# Allegro board PCIE_FIBER_BOARD-1116.brd (continued)
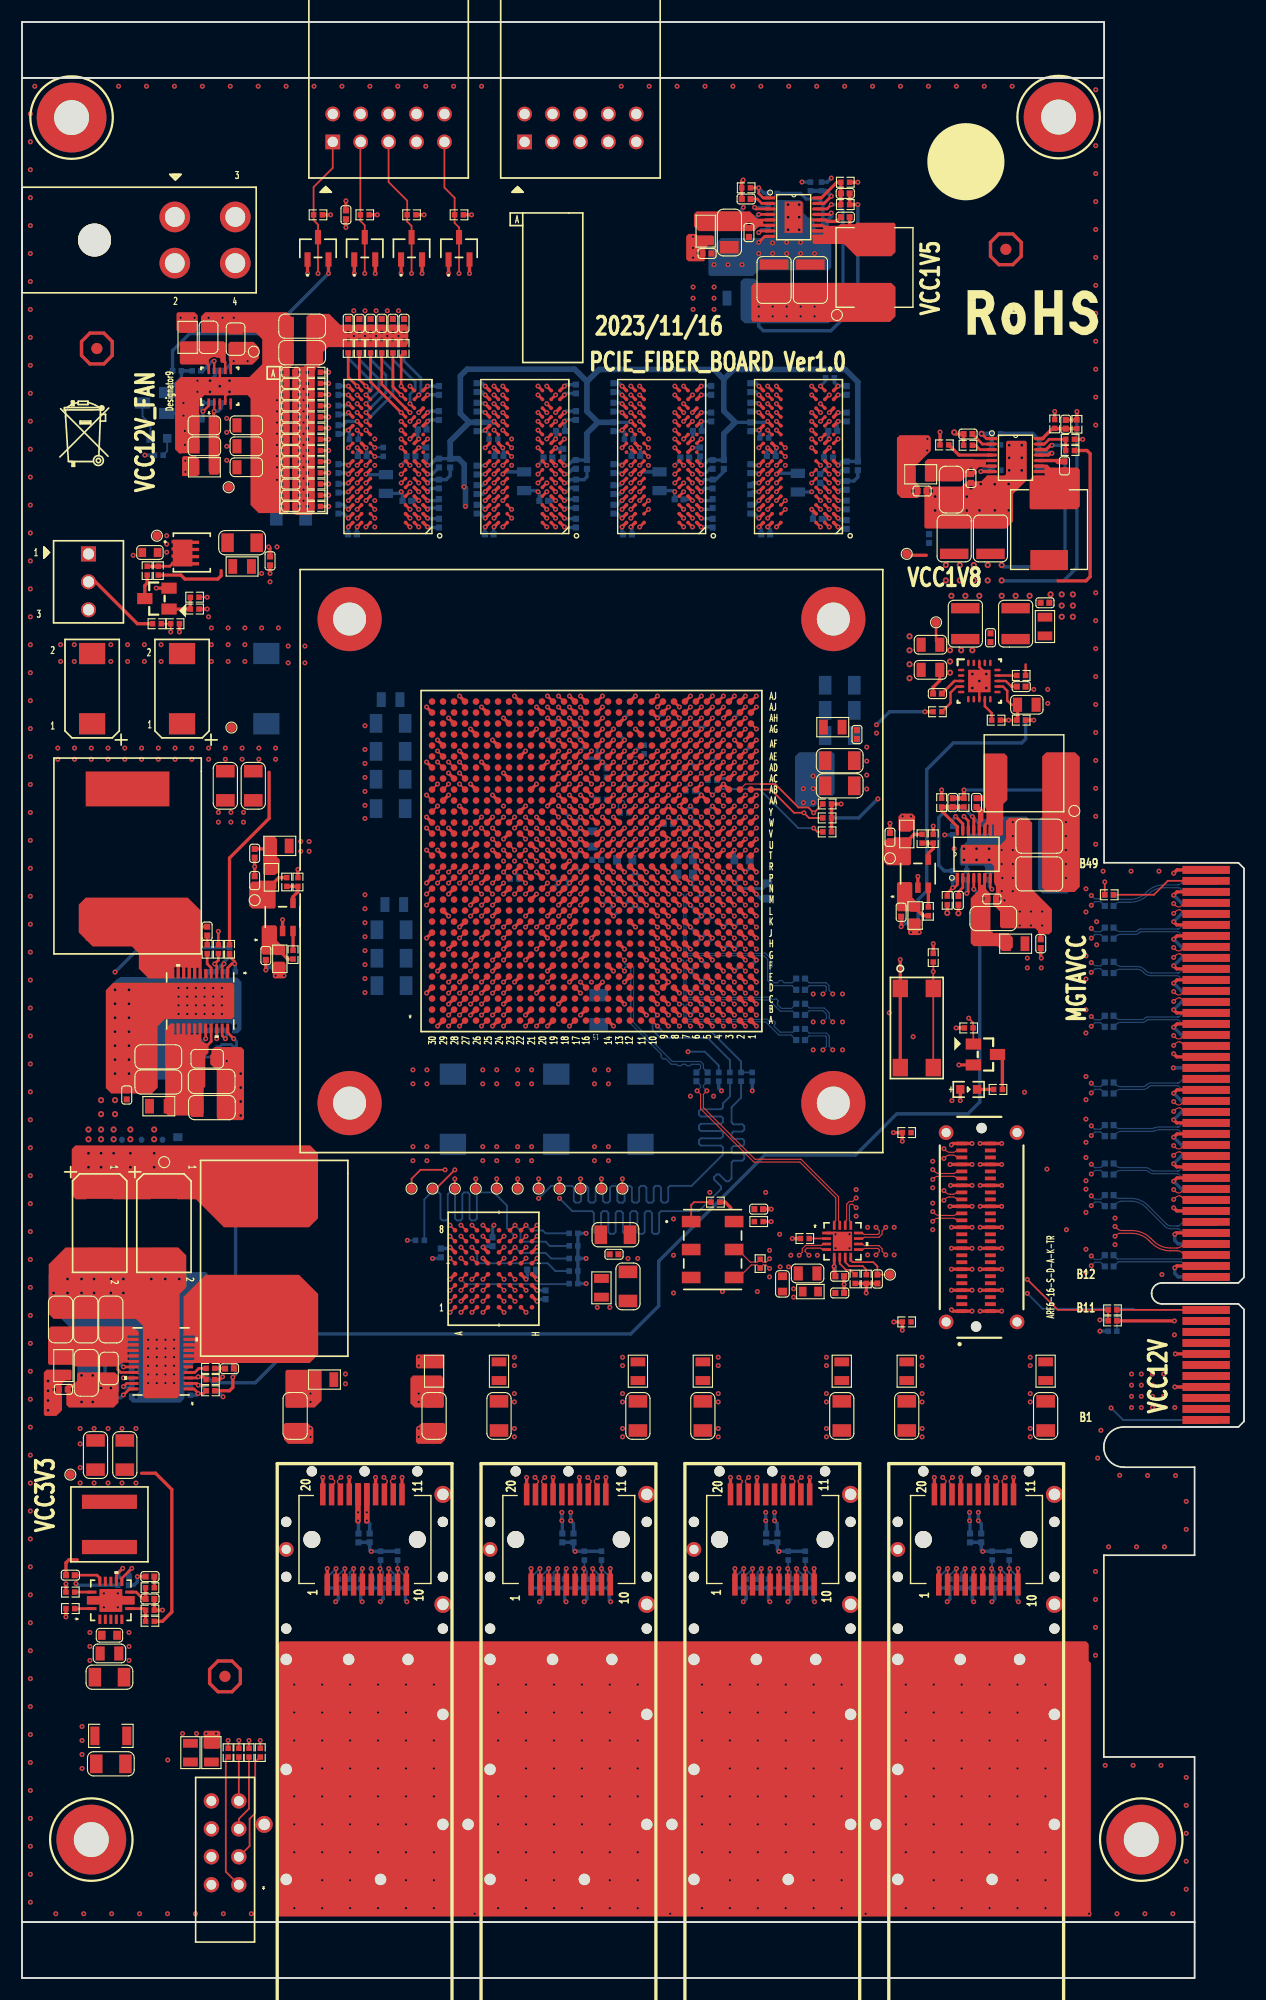
[diagram p0: board, top side]
## Routing (per net, layer and track width the routed paths; a pad name or vN(x,y) marks a point on that pad's centre or on a via; arc(x,y) is an arc through that point) (continued)
  TOP w0.165: U247.C26 v1(40.8,88.53)
  ART03 w0.117: v1(40.8,88.53) 41.2,88.12 47.59,88.12 48.34,87.38 48.34,83.86 57.08,75.12 57.08,61.17 59.83,58.42 73.53,58.42 77.22,54.74 77.22,45.21 80.77,41.66 80.77,39.12 81.41,38.48 84.52,38.48 v1(85.79,37.21)
  BOTTOM w0.165: R1160.2 85.42,36.85 v1(85.79,37.21)
FPGA_SFP0_LOS: length 86.9
  TOP w0.157: P1.8 v1(88.99,37.21)
  TOP w0.165: U247.D23 v1(43.8,89.53)
  ART03 w0.117: v1(88.99,37.21) 88.36,37.85 86.55,37.85 78.61,45.79 78.61,54.99 74.34,59.27 60.28,59.27 57.92,61.62 57.92,79.53 49.45,88 49.45,88.7 48.06,90.09 44.36,90.09 v1(43.8,89.53)
  BOTTOM w0.165: R1166.2 89.49,36.72 v1(88.99,37.21)
FPGA_SFP0_MOD_DETECT: length 94.1
  TOP w0.157: P1.6 v1(87.39,37.21)
  TOP w0.165: U247.E23 v1(43.8,90.53)
  ART03 w0.117: v1(87.39,37.21) 87.9,36.7 90.68,36.7 91.06,37.08 91.06,37.59 90.42,38.23 86.59,38.23 79.12,45.7 79.12,54.99 74.55,59.56 60.4,59.56 58.22,61.75 58.22,79.66 51.61,86.26 51.61,87.71 48.26,91.06 44.33,91.06 v1(43.8,90.53)
  BOTTOM w0.165: R1163.2 87.45,37.15 v1(87.39,37.21)
FPGA_SFP0_TX_DISABLE: length 81.6
  TOP w0.157: P1.3 v1(84.99,37.21)
  TOP w0.165: U247.A23 v1(43.8,86.53)
  ART03 w0.117: v1(43.8,86.53) 45.11,85.22 46.56,85.22 56.78,75 56.78,61.05 59.7,58.13 73.32,58.13 76.45,54.99 76.45,45.09 77.98,43.56 77.98,38.99 78.87,38.1 84.1,38.1 v1(84.99,37.21)
  BOTTOM w0.165: v1(84.99,37.21) 84.41,36.63 R1162.2
FPGA_SFP0_TX_FAULT: length 83.5
  TOP w0.157: P1.2 v1(84.19,37.21)
  TOP w0.165: U247.B23 v1(43.8,87.53)
  ART03 w0.117: v1(84.19,37.21) 83.68,37.72 78.36,37.72 77.47,38.61 77.47,43.43 76.07,44.83 76.07,54.74 72.98,57.83 59.58,57.83 56.49,60.93 56.49,74.88 46.53,84.84 43.81,84.84 43.31,85.34 43.31,87.04 v1(43.8,87.53)
  BOTTOM w0.165: R1161.2 83.39,36.42 v1(84.19,37.21)
FPGA_SFP1_IIC_SCL: length 93.3
  TOP w0.157: P2.5 v1(30.96,37.21)
  TOP w0.165: U247.C25 v1(41.8,88.53)
  ART08 w0.117: v1(30.96,37.21) 30.96,39.34 24.69,45.62 24.69,50.34 25.2,50.85 46.62,50.85 55.55,59.78 55.55,70.87 56.01,71.32 56.01,77.29 55.55,77.75 55.55,81.05 51.65,84.96 43.49,84.96 42.29,86.16 42.29,88.04 v1(41.8,88.53)
  BOTTOM w0.165: v1(30.96,37.21) 30.81,37.06 R1169.2
FPGA_SFP1_IIC_SDA: length 91.3
  TOP w0.157: P2.4 v1(30.17,37.21)
  TOP w0.165: U247.B25 v1(41.8,87.53)
  ART08 w0.117: v1(41.8,87.53) 41.35,87.08 41.35,86.21 43.05,84.51 47.93,84.51 55.58,76.86 55.58,71.55 54.56,70.54 54.56,63.12 55.08,62.59 55.08,59.95 46.46,51.33 25.01,51.33 23.89,50.22 23.89,45.29 30.17,39.01 v1(30.17,37.21)
  BOTTOM w0.165: R1170.2 29.8,36.85 v1(30.17,37.21)
FPGA_SFP1_LOS: length 90.5
  TOP w0.157: P2.8 v1(33.36,37.21)
  TOP w0.165: U247.F26 v1(40.8,91.53)
  ART08 w0.117: v1(40.8,91.53) 41.27,91.06 43.18,91.06 43.31,90.93 43.31,88.39 43.69,88.01 44.07,88.01 44.45,87.63 44.45,87.17 45.77,85.85 52.55,85.85 56.77,81.64 56.77,59.73 45.65,48.62 31.77,48.62 30.3,47.14 30.3,45.57 31.9,43.97 32.79,43.97 33.36,43.39 v1(33.36,37.21)
  BOTTOM w0.165: R1176.2 33.86,36.72 v1(33.36,37.21)
FPGA_SFP1_MOD_DETECT: length 97.3
  TOP w0.157: P2.6 v1(31.76,37.21)
  TOP w0.165: U247.D24 v1(42.8,89.53)
  ART08 w0.117: v1(31.76,37.21) 32.38,37.83 32.38,43.19 32.27,43.31 27.69,43.31 25.3,45.69 25.3,50.11 25.58,50.39 47.01,50.39 56.47,59.85 56.47,81.3 52.36,85.4 44.08,85.4 43.28,86.21 43.28,87.81 42.8,88.29 v1(42.8,89.53)
  BOTTOM w0.165: R1173.2 31.83,37.15 v1(31.76,37.21)
FPGA_SFP1_TX_DISABLE: length 95.3
  TOP w0.157: P2.3 v1(29.36,37.21)
  TOP w0.165: U247.E24 v1(42.8,90.53)
  ART08 w0.117: v1(29.36,37.21) 29.36,39.16 23.42,45.11 23.42,50.51 24.72,51.82 46.2,51.82 54.61,60.22 54.61,61.98 54.13,62.46 54.13,70.82 55.09,71.78 55.09,76.86 47.79,84.17 42.66,84.17 40.94,85.88 40.94,87.07 41.27,87.4 41.27,88.9 41.4,89.03 42.07,89.03 42.32,89.27 42.32,90.05 v1(42.8,90.53)
  BOTTOM w0.165: R1172.2 28.78,36.63 v1(29.36,37.21)
FPGA_SFP1_TX_FAULT: length 96.1
  TOP w0.157: P2.2 v1(28.56,37.21)
  TOP w0.165: U247.E25 v1(41.8,90.53)
  ART08 w0.117: v1(41.8,90.53) 41.03,90.53 40.39,89.89 40.39,85.75 42.27,83.87 47.66,83.87 54.18,77.36 54.18,71.58 53.77,71.17 53.77,62.08 54.23,61.62 54.23,60.4 47.52,53.7 31.39,53.7 30.45,52.76 28.45,52.76 27.51,53.7 25.4,53.7 22.91,51.21 22.91,45.01 28.56,39.35 v1(28.56,37.21)
  BOTTOM w0.165: R1171.2 27.77,36.42 v1(28.56,37.21)
FPGA_SFP2_IIC_SCL: length 77.9
  TOP w0.157: P3.5 v1(49.51,37.21)
  TOP w0.165: U247.D27 v1(39.8,89.53)
  ART03 w0.117: v1(39.8,89.53) 40.26,89.07 40.26,88.27 40.01,88.01 38.48,88.01 38.35,87.88 38.35,86.18 38.89,85.64 38.89,82.52 41.09,80.33 47.27,80.33 51.28,76.32 51.28,71.73 51.89,71.12 51.89,67.44 50.88,66.42 50.88,59.89 52.06,58.71 53.86,58.71 58.42,54.15 58.42,43.05 57.78,42.42 54.86,42.42 52.64,40.2 50.36,40.2 49.51,39.35 v1(49.51,37.21)
  BOTTOM w0.165: v1(49.51,37.21) 49.36,37.06 R1180.2
FPGA_SFP2_IIC_SDA: length 77.3
  TOP w0.157: P3.4 v1(48.71,37.21)
  TOP w0.165: U247.C27 v1(39.8,88.53)
  ART03 w0.117: v1(48.71,37.21) 48.71,39.56 49.91,40.77 52.2,40.77 54.36,42.93 57.4,42.93 57.86,43.38 57.86,54.1 53.76,58.2 51.88,58.2 50.34,59.74 50.34,61.8 50.37,61.82 50.37,76.63 47.12,79.89 40.89,79.89 38.33,82.45 38.33,85.27 37.39,86.21 37.39,88.06 38.35,89.03 39.3,89.03 v1(39.8,88.53)
  BOTTOM w0.165: R1181.2 48.34,36.85 v1(48.71,37.21)
FPGA_SFP2_LOS: length 71.1
  TOP w0.157: P3.8 v1(51.91,37.21)
  TOP w0.165: U247.A27 v1(39.8,86.53)
  ART03 w0.117: v1(39.8,86.53) 39.8,82.84 40.72,81.91 47.75,81.91 54.15,75.51 54.15,64.74 54.94,63.96 54.94,59.39 59.31,55.02 59.31,39.72 57.56,37.97 52.07,37.97 51.91,37.81 v1(51.91,37.21)
  BOTTOM w0.165: v1(51.91,37.21) 52.4,36.72 R1186.2
FPGA_SFP2_MOD_DETECT: length 72.7
  TOP w0.157: P3.6 v1(50.31,37.21)
  TOP w0.165: U247.B27 v1(39.8,87.53)
  ART03 w0.117: v1(39.8,87.53) 39.37,87.1 39.37,82.73 41.3,80.8 47.73,80.8 52.63,75.9 52.63,73.94 53.31,73.25 53.31,64.62 54.23,63.7 54.23,59.23 58.93,54.53 58.93,39.88 57.4,38.35 51.31,38.35 50.31,37.35 v1(50.31,37.21)
  BOTTOM w0.165: R1184.2 50.37,37.15 v1(50.31,37.21)
FPGA_SFP2_TX_DISABLE: length 79.7
  TOP w0.157: P3.3 v1(47.91,37.21)
  TOP w0.165: U247.G24 v1(42.8,92.53)
  ART03 w0.117: v1(47.91,37.21) 47.91,39.47 40.89,46.48 40.89,53.75 49.78,62.64 49.78,76.33 46.62,79.49 40.71,79.49 37.81,82.4 37.81,84.86 36.32,86.34 36.32,90.65 37.62,91.95 42.22,91.95 v1(42.8,92.53)
  BOTTOM w0.165: v1(47.91,37.21) 47.32,36.63 R1183.2
FPGA_SFP2_TX_FAULT: length 81.5
  TOP w0.157: P3.2 v1(47.11,37.21)
  TOP w0.165: U247.G23 v1(43.8,92.53)
  ART03 w0.117: v1(47.11,37.21) 47.11,39.64 40.09,46.65 40.09,54.08 49.38,63.36 49.38,75.6 45.99,78.99 40.49,78.99 37.37,82.11 37.37,84.79 35.92,86.24 35.92,90.84 38.02,92.94 43.39,92.94 v1(43.8,92.53)
  BOTTOM w0.165: R1182.2 46.31,36.42 v1(47.11,37.21)
FPGA_SFP3_IIC_SCL: length 142.1
  TOP w0.157: P4.5 v1(68.05,37.21)
  TOP w0.165: U247.E28 v1(38.8,90.53)
  ART08 w0.117: v1(68.05,37.21) 65.76,34.92 23.19,34.92 20.47,37.64 20.47,51.65 26.36,57.53 47.6,57.53 52.17,62.1 52.17,73.36 51.56,73.96 51.56,77.42 48.46,80.52 41.96,80.52 37.01,85.47 37.01,88.74 v1(38.8,90.53)
  BOTTOM w0.165: R1189.2 67.9,37.06 v1(68.05,37.21)
FPGA_SFP3_IIC_SDA: length 139.1
  TOP w0.157: P4.4 v1(67.25,37.21)
  TOP w0.165: U247.D28 v1(38.8,89.53)
  ART08 w0.117: v1(67.25,37.21) 65.52,35.49 23.64,35.49 20.98,38.15 20.98,51.18 26.82,57.02 47.78,57.02 52.63,61.87 52.63,71.83 53.14,72.34 53.14,73.1 52.55,73.69 52.55,77.06 47.85,81.76 41.76,81.76 37.34,86.18 37.34,88.07 v1(38.8,89.53)
  BOTTOM w0.165: v1(67.25,37.21) 66.88,36.85 R1190.2
FPGA_SFP3_LOS: length 72.2
  TOP w0.157: P4.8 v1(70.45,37.21)
  TOP w0.165: U247.A25 v1(41.8,86.53)
  ART03 w0.117: v1(70.45,37.21) 69.81,36.58 64.01,36.58 62.23,38.35 62.23,41.83 59.65,44.41 59.65,55.26 55.24,59.66 55.24,64.19 54.58,64.85 54.58,65.58 55.24,66.24 55.24,74.9 46.66,83.49 42.49,83.49 41.8,84.19 v1(41.8,86.53)
  BOTTOM w0.165: R1196.2 70.95,36.72 v1(70.45,37.21)
FPGA_SFP3_MOD_DETECT: length 136.2
  TOP w0.157: P4.6 v1(68.85,37.21)
  TOP w0.165: U247.A28 v1(38.8,86.53)
  ART08 w0.117: v1(38.8,86.53) 39.02,86.53 42.09,83.46 47.38,83.46 53.8,77.05 53.8,71.91 53.44,71.55 53.44,61.85 53.9,61.39 53.9,60.63 47.65,54.38 31.29,54.38 30.23,53.31 28.93,53.31 27.86,54.38 25.45,54.38 22.45,51.38 22.45,38.37 22.94,37.88 26.11,37.88 27.37,36.62 35.22,36.62 36.69,38.09 68.21,38.09 68.85,37.45 v1(68.85,37.21)
  BOTTOM w0.165: R1193.2 68.91,37.15 v1(68.85,37.21)
FPGA_SFP3_TX_DISABLE: length 135.3
  TOP w0.157: P4.3 v1(66.45,37.21)
  TOP w0.165: U247.B28 v1(38.8,87.53)
  ART08 w0.117: v1(38.8,87.53) 38.33,87.06 38.33,86.33 41.61,83.06 42.21,83.06 42.52,82.75 42.52,82.37 42.82,82.07 48.2,82.07 52.91,77.36 52.91,73.86 53.44,73.33 53.44,72.19 52.96,71.7 52.96,60.99 46.96,54.99 30.53,54.99 30.02,55.5 26.1,55.5 21.55,50.95 21.55,38.69 22.69,37.54 25.81,37.54 27.29,36.06 35.23,36.06 36.95,37.77 65.96,37.77 66.45,37.29 v1(66.45,37.21)
  BOTTOM w0.165: v1(66.45,37.21) 65.87,36.63 R1192.2
FPGA_SFP3_TX_FAULT: length 65.8
  TOP w0.157: P4.2 v1(65.65,37.21)
  TOP w0.165: U247.B24 v1(42.8,87.53)
  ART03 w0.117: v1(65.65,37.21) 65.65,39.64 59.94,45.34 59.94,55.83 55.58,60.2 55.58,75.36 46.86,84.07 43.05,84.07 42.34,84.79 42.34,87.07 v1(42.8,87.53)
  BOTTOM w0.165: v1(65.65,37.21) 64.85,36.42 R1191.2
FPGA_SFP_REFCLK_N: length 13.4
  TOP w0.104: v1(60.8,88.53) U247.C7
  BOTTOM w0.102: v1(60.8,88.53) 60.5,88.53 60.4,88.43 60.4,87.29 60.56,87.13 67.25,87.13 67.27,87.16 67.3,87.16
  BOTTOM w0.104: C2435.2 70.13,85.98 68.94,85.98 68.42,86.5 68.42,86.64 68.51,86.73 68.51,86.88 68.36,87.02 68.21,87.02 68.13,86.94 67.98,86.94 67.76,87.16 67.3,87.16
FPGA_SFP_REFCLK_P: length 13.4
  TOP w0.104: v1(59.8,88.53) U247.C8
  BOTTOM w0.102: 67.3,86.9 67.27,86.9 67.25,86.93 60.47,86.93 60.2,87.2 60.2,88.43 60.1,88.53 v1(59.8,88.53)
  BOTTOM w0.104: C2436.2 69.95,85.72 68.83,85.72 67.66,86.9 67.3,86.9
FPGA_SFP_RX_0_N: length 60
  TOP w0.104: v1(89.43,45.5) 89.14,45.22 89.14,45.07 89.39,44.82 P1.12 ; U247.E3 v1(64.8,90.53)
  ART08 w0.099: v1(64.8,90.53) 64.5,90.53 arc(64.43,90.5) 64.4,90.43 64.4,90.23 arc(64.43,90.16) 64.5,90.13 65.02,90.13 arc(65.29,90.02) 65.4,89.75 65.4,86.08 arc(65.42,86.05) 65.42,86.02 65.42,79.42 arc(65.58,78.64) 66.02,77.98 75.6,68.39 arc(76.14,67.59) 76.33,66.64 76.33,62.62 arc(76.5,61.77) 76.98,61.05 79.21,58.82 arc(79.93,58.34) 80.78,58.17 82.26,58.17 arc(83.21,57.98) 84.02,57.44 88.39,53.07 arc(88.93,52.26) 89.11,51.32 89.11,46.04 arc(89.15,45.84) 89.27,45.67 v1(89.43,45.5)
FPGA_SFP_RX_0_P: length 60
  TOP w0.104: P1.13 88.59,44.8 88.84,45.06 88.84,45.2 v1(88.54,45.5) ; U247.E4 v1(63.8,90.53)
  ART08 w0.099: v1(63.8,90.53) 64.1,90.53 arc(64.17,90.5) 64.2,90.43 64.2,90.23 arc(64.29,90.02) 64.5,89.93 65.02,89.93 arc(65.14,89.88) 65.2,89.75 65.2,86.08 arc(65.18,86.05) 65.17,86.02 65.17,79.42 arc(65.34,78.54) 65.84,77.8 75.42,68.22 arc(75.9,67.49) 76.07,66.64 76.07,62.62 arc(76.26,61.67) 76.8,60.87 79.03,58.64 arc(79.83,58.1) 80.78,57.91 82.26,57.91 arc(83.11,57.74) 83.84,57.26 88.21,52.89 arc(88.69,52.17) 88.86,51.32 88.86,46.04 arc(88.82,45.84) 88.71,45.67 v1(88.54,45.5)
FPGA_SFP_RX_1_N: length 69.1
  TOP w0.104: U247.D5 v1(62.8,89.53) ; v1(33.81,45.5) 33.52,45.22 33.52,45.07 33.76,44.82 P2.12
  ART08 w0.099: v1(62.8,89.53) 62.5,89.53 arc(62.43,89.5) 62.4,89.43 62.4,89.23 arc(62.31,89.02) 62.1,88.93 58.52,88.93 arc(58.43,88.89) 58.4,88.81 58.4,86.18 58.21,85.99 58.21,85.95 57.99,85.74 arc(57.91,85.62) 57.89,85.49 57.89,58.22 arc(57.7,57.27) 57.16,56.47 48.58,47.89 arc(47.78,47.36) 46.83,47.17 33.96,47.17 arc(33.63,47.03) 33.49,46.69 33.49,46.04 arc(33.53,45.84) 33.64,45.67 v1(33.81,45.5)
FPGA_SFP_RX_1_P: length 69.1
  TOP w0.104: P2.13 32.96,44.8 33.22,45.06 33.22,45.2 v1(32.92,45.5) ; U247.D6 v1(61.8,89.53)
  ART08 w0.099: v1(61.8,89.53) 62.1,89.53 arc(62.17,89.5) 62.2,89.43 62.2,89.23 arc(62.17,89.16) 62.1,89.13 58.52,89.13 arc(58.29,89.04) 58.2,88.81 58.2,86.26 58.05,86.11 58.01,86.11 57.81,85.92 arc(57.68,85.72) 57.63,85.49 57.63,58.22 arc(57.46,57.37) 56.98,56.65 48.4,48.07 arc(47.68,47.59) 46.83,47.42 33.96,47.42 arc(33.45,47.21) 33.24,46.69 33.24,46.04 arc(33.2,45.84) 33.08,45.67 v1(32.92,45.5)
FPGA_SFP_RX_2_N: length 46.5
  TOP w0.104: P3.12 52.3,44.82 52.06,45.07 52.06,45.22 v1(52.35,45.5) ; U247.A7 v1(60.8,86.53)
  ART08 w0.099: v1(52.35,45.5) 52.06,45.79 arc(52.04,45.83) 52.03,45.86 52.03,47.16 arc(52.22,48.12) 52.77,48.94 55.79,51.96 arc(57.8,54.76) 58.83,58.04 arc(58.83,58.11) 58.84,58.17 58.84,81.87 arc(59.04,82.99) 59.63,83.98 arc(60.22,84.86) 60.43,85.9 60.43,86.12 arc(60.43,86.15) 60.45,86.19 v1(60.8,86.53)
FPGA_SFP_RX_2_P: length 46.5
  TOP w0.104: P3.13 51.5,44.8 51.76,45.06 51.76,45.2 v1(51.46,45.5) ; U247.A8 v1(59.8,86.53)
  ART08 w0.099: v1(51.46,45.5) 51.75,45.79 arc(51.77,45.83) 51.78,45.86 51.78,47.16 arc(51.99,48.22) 52.59,49.12 55.61,52.14 arc(57.58,54.87) 58.58,58.08 arc(58.58,58.13) 58.58,58.17 58.58,81.87 arc(58.8,83.08) 59.44,84.15 59.45,84.16 arc(59.98,84.96) 60.17,85.9 60.17,86.12 arc(60.16,86.15) 60.14,86.19 v1(59.8,86.53)
FPGA_SFP_RX_3_N: length 47.3
  TOP w0.104: P4.12 70.85,44.82 70.6,45.07 70.6,45.22 v1(70.89,45.5) ; U247.B5 v1(62.8,87.53)
  ART08 w0.099: v1(62.8,87.53) 62.5,87.53 arc(62.43,87.5) 62.4,87.43 62.4,85.9 arc(62.42,85.87) 62.43,85.83 62.43,84.99 arc(62.59,84.18) 63.05,83.49 63.89,82.65 arc(64.19,82.2) 64.29,81.67 64.29,76.46 arc(64.54,75.21) 65.25,74.15 arc(65.98,73.06) 66.23,71.78 66.23,60.8 arc(66.61,58.9) 67.69,57.29 67.84,57.14 arc(69.86,54.11) 70.57,50.53 70.57,46.04 arc(70.61,45.84) 70.72,45.67 v1(70.89,45.5)
FPGA_SFP_RX_3_P: length 47.3
  TOP w0.104: P4.13 70.05,44.8 70.3,45.06 70.3,45.2 v1(70,45.5) ; U247.B6 v1(61.8,87.53)
  ART08 w0.099: v1(70,45.5) 70.17,45.67 arc(70.28,45.84) 70.32,46.04 70.32,50.53 arc(69.63,54.01) 67.66,56.96 67.51,57.11 arc(66.38,58.8) 65.98,60.8 65.98,67.54 65.98,71.78 arc(65.74,72.96) 65.07,73.97 arc(64.31,75.11) 64.04,76.46 64.04,81.67 arc(63.95,82.1) 63.71,82.47 62.87,83.31 arc(62.35,84.08) 62.17,84.99 62.17,85.83 arc(62.18,85.87) 62.2,85.9 62.2,87.43 arc(62.17,87.5) 62.1,87.53 v1(61.8,87.53)
FPGA_SFP_TX_0_N: length 55.9
  TOP w0.104: P1.19 83.79,44.8 84.04,45.06 84.04,45.2 v1(83.74,45.5) ; v1(66.8,89.53) U247.D1
  ART10 w0.099: v1(83.74,45.5) 83.91,45.67 arc(84.02,45.84) 84.06,46.04 84.06,46.67 arc(84.03,46.74) 83.96,46.77 arc(83.89,46.8) 83.86,46.87 83.86,47.07 arc(83.89,47.13) 83.96,47.16 arc(84.03,47.19) 84.06,47.26 84.06,47.46 arc(84.03,47.53) 83.96,47.56 arc(83.89,47.59) 83.86,47.66 83.86,47.86 arc(83.89,47.93) 83.96,47.96 arc(84.03,47.99) 84.06,48.05 84.06,48.25 arc(84.03,48.32) 83.96,48.35 arc(83.89,48.38) 83.86,48.45 83.86,48.65 arc(83.89,48.72) 83.96,48.75 arc(84.03,48.78) 84.06,48.85 84.06,54.99 arc(83.89,55.85) 83.41,56.57 75.15,64.83 arc(74.61,65.63) 74.42,66.58 74.42,68.8 arc(74.25,69.65) 73.77,70.37 68.42,75.73 arc(67.88,76.53) 67.69,77.48 67.69,89.45 arc(67.56,89.77) 67.24,89.9 67.1,89.9 67.08,89.93 66.5,89.93 arc(66.43,89.9) 66.4,89.83 66.4,89.63 arc(66.43,89.56) 66.5,89.53 v1(66.8,89.53)
FPGA_SFP_TX_0_P: length 55.9
  TOP w0.104: P1.18 84.59,44.82 84.34,45.07 84.34,45.22 v1(84.63,45.5) ; v1(65.8,89.53) U247.D2
  ART10 w0.099: v1(84.63,45.5) 84.47,45.67 arc(84.35,45.84) 84.31,46.04 84.31,54.99 arc(84.13,55.94) 83.59,56.75 75.33,65.01 arc(74.85,65.73) 74.68,66.58 74.68,68.8 arc(74.49,69.75) 73.95,70.55 68.6,75.91 arc(68.11,76.63) 67.94,77.48 67.94,89.45 arc(67.74,89.95) 67.24,90.16 67.1,90.16 67.08,90.13 66.5,90.13 arc(66.29,90.04) 66.2,89.83 66.2,89.63 arc(66.17,89.56) 66.1,89.53 v1(65.8,89.53)
FPGA_SFP_TX_1_N: length 70.5
  TOP w0.104: v1(28.12,45.5) 28.44,45.19 28.44,45.01 28.16,44.73 P2.19 ; U247.C3 v1(64.8,88.53)
  ART10 w0.099: v1(64.8,88.53) 64.5,88.53 arc(64.43,88.56) 64.4,88.63 64.4,88.83 arc(64.31,89.04) 64.1,89.13 61.55,89.13 arc(61.3,89.03) 61.2,88.78 61.2,85.74 arc(61.18,85.71) 61.17,85.67 61.17,83.26 arc(60.99,82.33) 60.46,81.54 arc(58.29,78.3) 57.53,74.47 57.53,62.94 arc(57.36,62.09) 56.88,61.37 47.21,51.71 arc(46.49,51.22) 45.64,51.05 34.45,51.05 arc(33.5,50.87) 32.7,50.33 28.55,46.18 arc(28.47,46.06) 28.44,45.9 28.44,45.89 arc(28.42,45.83) 28.39,45.77 v1(28.12,45.5)
FPGA_SFP_TX_1_P: length 70.5
  TOP w0.104: P2.18 28.96,44.76 28.69,45.04 28.69,45.19 v1(29.01,45.5) ; U247.C4 v1(63.8,88.53)
  ART10 w0.099: v1(63.8,88.53) 64.1,88.53 arc(64.17,88.56) 64.2,88.63 64.2,88.83 arc(64.17,88.9) 64.1,88.93 61.55,88.93 arc(61.44,88.88) 61.4,88.78 61.4,85.74 arc(61.42,85.71) 61.43,85.67 61.43,83.26 arc(61.22,82.23) 60.64,81.36 arc(58.53,78.2) 57.78,74.47 57.78,62.94 arc(57.6,62) 57.06,61.19 47.39,51.53 arc(46.59,50.99) 45.64,50.8 34.45,50.8 arc(33.6,50.63) 32.88,50.15 30.73,48 arc(30.71,47.94) 30.73,47.88 arc(30.76,47.82) 30.73,47.76 30.57,47.6 arc(30.51,47.58) 30.45,47.6 arc(30.39,47.63) 30.33,47.6 30.17,47.44 arc(30.15,47.38) 30.17,47.32 arc(30.2,47.26) 30.17,47.2 30.01,47.04 arc(29.95,47.02) 29.89,47.04 arc(29.83,47.07) 29.77,47.04 29.61,46.88 arc(29.59,46.82) 29.61,46.76 arc(29.64,46.7) 29.61,46.64 29.45,46.48 arc(29.39,46.45) 29.33,46.48 arc(29.27,46.51) 29.21,46.48 28.73,46 arc(28.7,45.96) 28.69,45.9 28.69,45.88 arc(28.7,45.83) 28.73,45.78 v1(29.01,45.5)
FPGA_SFP_TX_2_N: length 56.3
  TOP w0.104: P3.19 46.71,44.8 46.96,45.06 46.96,45.2 v1(46.66,45.5) ; U247.A3 v1(64.8,86.53)
  ART10 w0.099: v1(64.8,86.53) 64.45,86.19 arc(64.43,86.15) 64.43,86.12 64.43,78.69 arc(63.77,75.37) 61.89,72.55 59.39,70.06 arc(58.95,69.41) 58.8,68.64 58.8,53.03 arc(57.97,48.86) 55.61,45.32 arc(54.76,44.76) 53.76,44.56 47.47,44.56 arc(47.12,44.7) 46.98,45.05 46.98,45.15 arc(46.97,45.18) 46.95,45.22 v1(46.66,45.5)
FPGA_SFP_TX_2_P: length 56.3
  TOP w0.104: P3.18 47.5,44.82 47.26,45.07 47.26,45.22 v1(47.55,45.5) ; U247.A4 v1(63.8,86.53)
  ART10 w0.099: v1(63.8,86.53) 64.14,86.19 arc(64.16,86.15) 64.17,86.12 64.17,78.69 arc(63.53,75.46) 61.71,72.73 59.21,70.24 arc(58.72,69.5) 58.55,68.64 58.55,53.03 arc(57.74,48.96) 55.43,45.5 arc(54.66,44.99) 53.76,44.81 50.94,44.81 arc(50.87,44.84) 50.85,44.9 arc(50.82,44.96) 50.76,44.99 50.54,44.99 arc(50.48,44.96) 50.45,44.9 arc(50.43,44.84) 50.37,44.81 50.14,44.81 arc(50.08,44.84) 50.06,44.9 arc(50.03,44.96) 49.97,44.99 49.75,44.99 arc(49.69,44.96) 49.66,44.9 arc(49.63,44.84) 49.57,44.81 49.35,44.81 arc(49.29,44.84) 49.26,44.9 arc(49.24,44.96) 49.18,44.99 48.96,44.99 arc(48.89,44.96) 48.87,44.9 arc(48.84,44.84) 48.78,44.81 48.56,44.81 arc(48.5,44.84) 48.47,44.9 arc(48.45,44.96) 48.38,44.99 48.16,44.99 arc(48.1,44.96) 48.08,44.9 arc(48.05,44.84) 47.99,44.81 47.47,44.81 arc(47.3,44.88) 47.23,45.05 47.23,45.15 arc(47.24,45.18) 47.26,45.22 v1(47.55,45.5)
FPGA_SFP_TX_3_N: length 47.4
  TOP w0.104: U247.B1 v1(66.8,87.53) ; P4.19 65.25,44.8 65.5,45.06 65.5,45.2 v1(65.2,45.5)
  ART10 w0.099: v1(66.8,87.53) 66.5,87.53 arc(66.43,87.56) 66.4,87.63 66.4,87.83 arc(66.31,88.04) 66.1,88.13 65.54,88.13 arc(65.3,88.03) 65.2,87.79 65.2,85.74 arc(65.18,85.71) 65.17,85.67 65.17,73.72 arc(65.32,72.96) 65.75,72.32 arc(65.91,72.08) 65.96,71.81 65.96,62.9 arc(65.92,62.69) 65.8,62.51 arc(65.59,62.2) 65.52,61.83 65.52,46.04 arc(65.48,45.84) 65.37,45.67 v1(65.2,45.5)
FPGA_SFP_TX_3_P: length 47.5
  TOP w0.104: U247.B2 v1(65.8,87.53) ; v1(66.09,45.5) 65.8,45.22 65.8,45.07 66.05,44.82 P4.18
  ART10 w0.099: v1(66.09,45.5) 65.92,45.67 arc(65.81,45.84) 65.77,46.04 65.77,46.51 arc(65.8,46.58) 65.87,46.61 65.87,46.61 arc(65.94,46.64) 65.97,46.71 65.97,46.91 arc(65.94,46.98) 65.87,47.01 65.87,47.01 arc(65.8,47.03) 65.77,47.1 65.77,47.3 arc(65.8,47.37) 65.87,47.4 65.87,47.4 arc(65.94,47.43) 65.97,47.5 65.97,47.7 arc(65.94,47.77) 65.87,47.8 65.87,47.8 arc(65.8,47.83) 65.77,47.9 65.77,48.1 arc(65.8,48.17) 65.87,48.19 65.87,48.19 arc(65.94,48.22) 65.97,48.29 65.97,48.49 arc(65.94,48.56) 65.87,48.59 65.87,48.59 arc(65.8,48.62) 65.77,48.69 65.77,61.83 arc(65.83,62.1) 65.98,62.33 arc(66.16,62.6) 66.22,62.9 66.22,71.81 arc(66.14,72.18) 65.93,72.5 arc(65.56,73.06) 65.43,73.72 65.43,85.71 65.4,85.74 65.4,87.79 arc(65.44,87.89) 65.54,87.93 66.1,87.93 arc(66.17,87.9) 66.2,87.83 66.2,87.63 arc(66.17,87.56) 66.1,87.53 v1(65.8,87.53)
FPGA_TCK: length 101.3
  TOP w0.165: J1.1 28.27,164.54 26.52,162.79 R456.2 26.52,159.79 26.92,159.39 D5.3 v1(26.92,154.94) ; U247.E10 v1(57.8,90.53)
  ART08 w0.117: v1(26.92,154.94) 25.02,153.04 25.02,132.84 33.2,124.66 44,124.66 51.31,117.35 51.31,92.46 52.7,91.06 57.27,91.06 v1(57.8,90.53)
FPGA_TDI: length 103.5
  TOP w0.165: v1(39.75,154.94) D2.3 39.75,159.13 39.35,159.53 R1233.2 39.35,161.82 38.43,162.74 J1.9 ; U247.H10 v1(57.8,93.53)
  ART08 w0.117: v1(39.75,154.94) 37.34,152.53 29.97,152.53 27.3,149.86 27.3,132.97 33.91,126.36 45.34,126.36 55.24,116.46 55.24,97.16 56.64,95.76 56.64,94.61 57.73,93.53 v1(57.8,93.53)
FPGA_TDO: length 98.2
  TOP w0.165: v1(31.18,154.94) D4.3 31.18,159.32 30.78,159.72 R455.2 30.78,166.87 J1.3 ; U247.G10 v1(57.8,92.53)
  ART08 w0.117: v1(31.18,154.94) 26.32,150.08 26.32,132.56 33.5,125.38 44.55,125.38 52.26,117.67 52.26,95.69 53.98,93.98 56.01,93.98 57.46,92.53 v1(57.8,92.53)
FPGA_TMS: length 103.7
  TOP w0.165: v1(35.43,154.94) D3.3 35.43,159.26 35.03,159.66 R1234.2 35.03,161.56 33.35,163.25 J1.5 ; U247.F10 v1(57.8,91.53)
  ART08 w0.117: v1(57.8,91.53) 58.29,92.02 58.29,92.84 58.09,93.04 57.58,93.04 55.88,94.74 54.23,94.74 53.34,95.63 53.34,117.6 45.03,125.92 33.72,125.92 26.86,132.78 26.86,149.92 30.1,153.16 33.66,153.16 v1(35.43,154.94)
MGT_CLK_100M_N: length 31.4
  TOP w0.104: v1(77.68,68.24) 77.98,67.94 77.98,67.72 77.85,67.59 76.58,67.59 76.45,67.72 U251.12
  ART08 w0.099: v1(73.74,86.91) 73.42,86.59 73.42,86.45 74.13,85.74 74.64,85.74 78.44,81.94 78.44,70.79 80.07,69.15 80.07,67.85 79.65,67.43 78.24,67.43 78,67.67 78,67.92 v1(77.68,68.24)
  BOTTOM w0.104: C2437.1 71.6,88.18 72.96,88.18 73.42,87.72 73.42,87.22 v1(73.74,86.91)
MGT_CLK_100M_P: length 31.5
  TOP w0.104: U251.11 76.49,67.22 76.61,67.34 77.95,67.34 78.23,67.61 78.23,67.9 v1(78.57,68.24)
  ART08 w0.099: v1(78.57,68.24) 78.25,67.92 78.25,67.78 78.35,67.68 79.55,67.68 79.82,67.96 79.82,69.04 78.18,70.68 78.18,71.12 78.08,71.22 78.02,71.22 77.92,71.32 77.92,71.51 78.02,71.61 78.08,71.61 78.18,71.71 78.18,71.91 78.08,72.01 78.02,72.01 77.92,72.11 77.92,72.31 78.02,72.41 78.08,72.41 78.18,72.5 78.18,72.7 78.08,72.8 78.02,72.8 77.92,72.9 77.92,73.1 78.02,73.2 78.08,73.2 78.18,73.3 78.18,81.84 74.53,85.49 74.02,85.49 73.17,86.34 73.17,86.59 v1(72.85,86.91)
  BOTTOM w0.104: C2438.1 71.6,87.92 72.86,87.92 73.17,87.61 73.17,87.22 v1(72.85,86.91)
MGTAVCC: length 37.2
  TOP w0.305: U247.P7 v1(60.8,99.53) ; U247.B7 v1(60.8,87.53) ; U247.M7 v1(60.8,97.53) ; U247.H7 v1(60.8,93.53) ; v1(19.18,54.61) 19.18,53.68 18.87,53.38 R1100.2 ; U247.F7 v1(60.8,91.53) ; U247.D7 v1(60.8,89.53) ; U247.K7 v1(60.8,95.53)
  BOTTOM w0.305: v1(60.8,87.53) 61.3,88.03 C144.1 ; v1(60.8,95.53) 61.29,95.04 C2259.1 ; C2258.1 61.02,99.76 v1(60.8,99.53) 61.3,99.03 C2266.1 ; v1(19.18,54.61) 19.43,54.86 19.43,72.14 18.41,73.15 13.97,73.15 ; C2261.1 61.3,91.03 v1(60.8,91.53) 61.3,92.03 C2263.1 ; C2264.1 61.3,97.03 v1(60.8,97.53) ; v1(60.8,89.53) 61.3,90.03 C2265.1
  vias: v2(6.05,74.97) v2(6.05,73.7) v2(7.19,74.97) v2(7.19,73.7) v2(8.34,74.97) v2(8.34,73.7) v2(9.86,74.97) v2(9.86,73.7) v2(12.02,74.97) v2(12.02,73.7)
MGTAVCC_PG: length 104
  TOP w0.254: R1091.2 16.49,54.65 v1(16.03,54.65) 15.93,54.55 U118.3
  BOTTOM w0.305: v1(16.03,54.65) 16.85,54.65 17.4,54.1 21.21,54.1 25.65,58.55 55.37,58.55 57.91,61.09 57.91,65.15 67.56,74.8 75.82,74.8 79.57,78.55 86.04,78.55 87.12,79.63 87.12,97.13 R1102.1
MGTAVTT: length 30.4
  TOP w0.229: TP52.1 83.14,121.54 C1237.1
  TOP w0.305: U247.L5 v1(62.8,96.53) ; U247.V3 v1(64.8,104.53) ; U247.W7 v1(59.8,105.53) ; U247.D3 v1(64.8,89.53) ; U247.T3 v1(64.8,102.53) ; U247.K3 v1(64.8,95.53) ; U247.P3 v1(64.8,99.53) ; U247.F3 v1(64.8,91.53) ; U247.W5 v1(62.8,104.53) ; U247.B3 v1(64.8,87.53) ; C1235.2 82.87,117.32 83.48,117.94 C1234.1 ; U247.M3 v1(64.8,97.53) ; U247.J5 v1(62.8,94.53) ; U247.N5 v1(62.8,98.53) ; U247.E5 v1(62.8,90.53) ; U247.U5 v1(62.8,102.53) ; U247.R5 v1(62.8,100.53) ; U247.C5 v1(62.8,88.53) ; U247.H3 v1(64.8,93.53) ; U247.G5 v1(62.8,92.53)
  BOTTOM w0.254: 67.35,99.03 65.29,99.03 v1(64.8,99.53)
  BOTTOM w0.305: C2271.1 64.79,102.52 v1(64.8,102.53) ; C2272.1 62.3,105.03 v1(62.8,104.53) ; v1(64.8,95.53) 65.27,96 C2274.1 ; C146.1 65.27,94 v1(64.8,93.53) ; C2275.1 62.32,96.05 v1(62.8,96.53) ; v1(62.8,98.53) 62.3,98.03 C2279.1 ; C2273.1 62.3,94.03 v1(62.8,94.53) ; C2276.1 61.27,105.06 v1(60.8,105.53) ; C147.1 64.31,98.02 v1(64.8,97.53) ; R165.1 59.2,104.93 v1(59.8,105.53) ; C2277.1 65.33,92.07 v1(64.8,91.53) ; C2270.1 67.35,99.03 ; v1(64.8,99.53) 65.27,100 C2278.1
  vias: v2(84.41,120.69) v2(84.41,119.67) v2(84.41,118.66) v2(85.42,120.69) v2(86.44,120.69)
MGTVCCAUX: length 4.6
  TOP w0.305: U247.T7 v1(60.8,102.53) ; U247.V7 v1(60.8,104.53)
  BOTTOM w0.305: v1(60.8,102.53) 60.98,102.35 60.98,101.68 C2267.1 ; v1(60.8,102.53) 60.3,103.03 C148.1 ; v1(60.8,102.53) 61.3,103.03 C2268.1 ; v1(60.8,104.53) 60.33,105 C2269.1
  vias: v1(80.09,105.59) v1(80.85,105.59)
PCIE_CLK_100M_N: length 35.5
  TOP w0.104: v1(78.57,65.73) 78.23,66.06 78.23,66.29 77.95,66.57 76.61,66.57 76.47,66.72 U251.10
  ART08 w0.099: v1(78.57,65.73) 78.25,66.05 78.25,66.19 78.62,66.56 80.07,66.56 81.03,67.52 81.03,81.47 73.47,89.03 73.47,89.17 73.49,89.2 73.49,89.2 v1(73.74,89.45)
  BOTTOM w0.104: v1(73.74,89.45) 73.41,89.78 73.41,90.21 73.15,90.46 71.6,90.46 C991.1
